# Altium PCB PCB.PcbDoc (part 1 of 4) (continued)
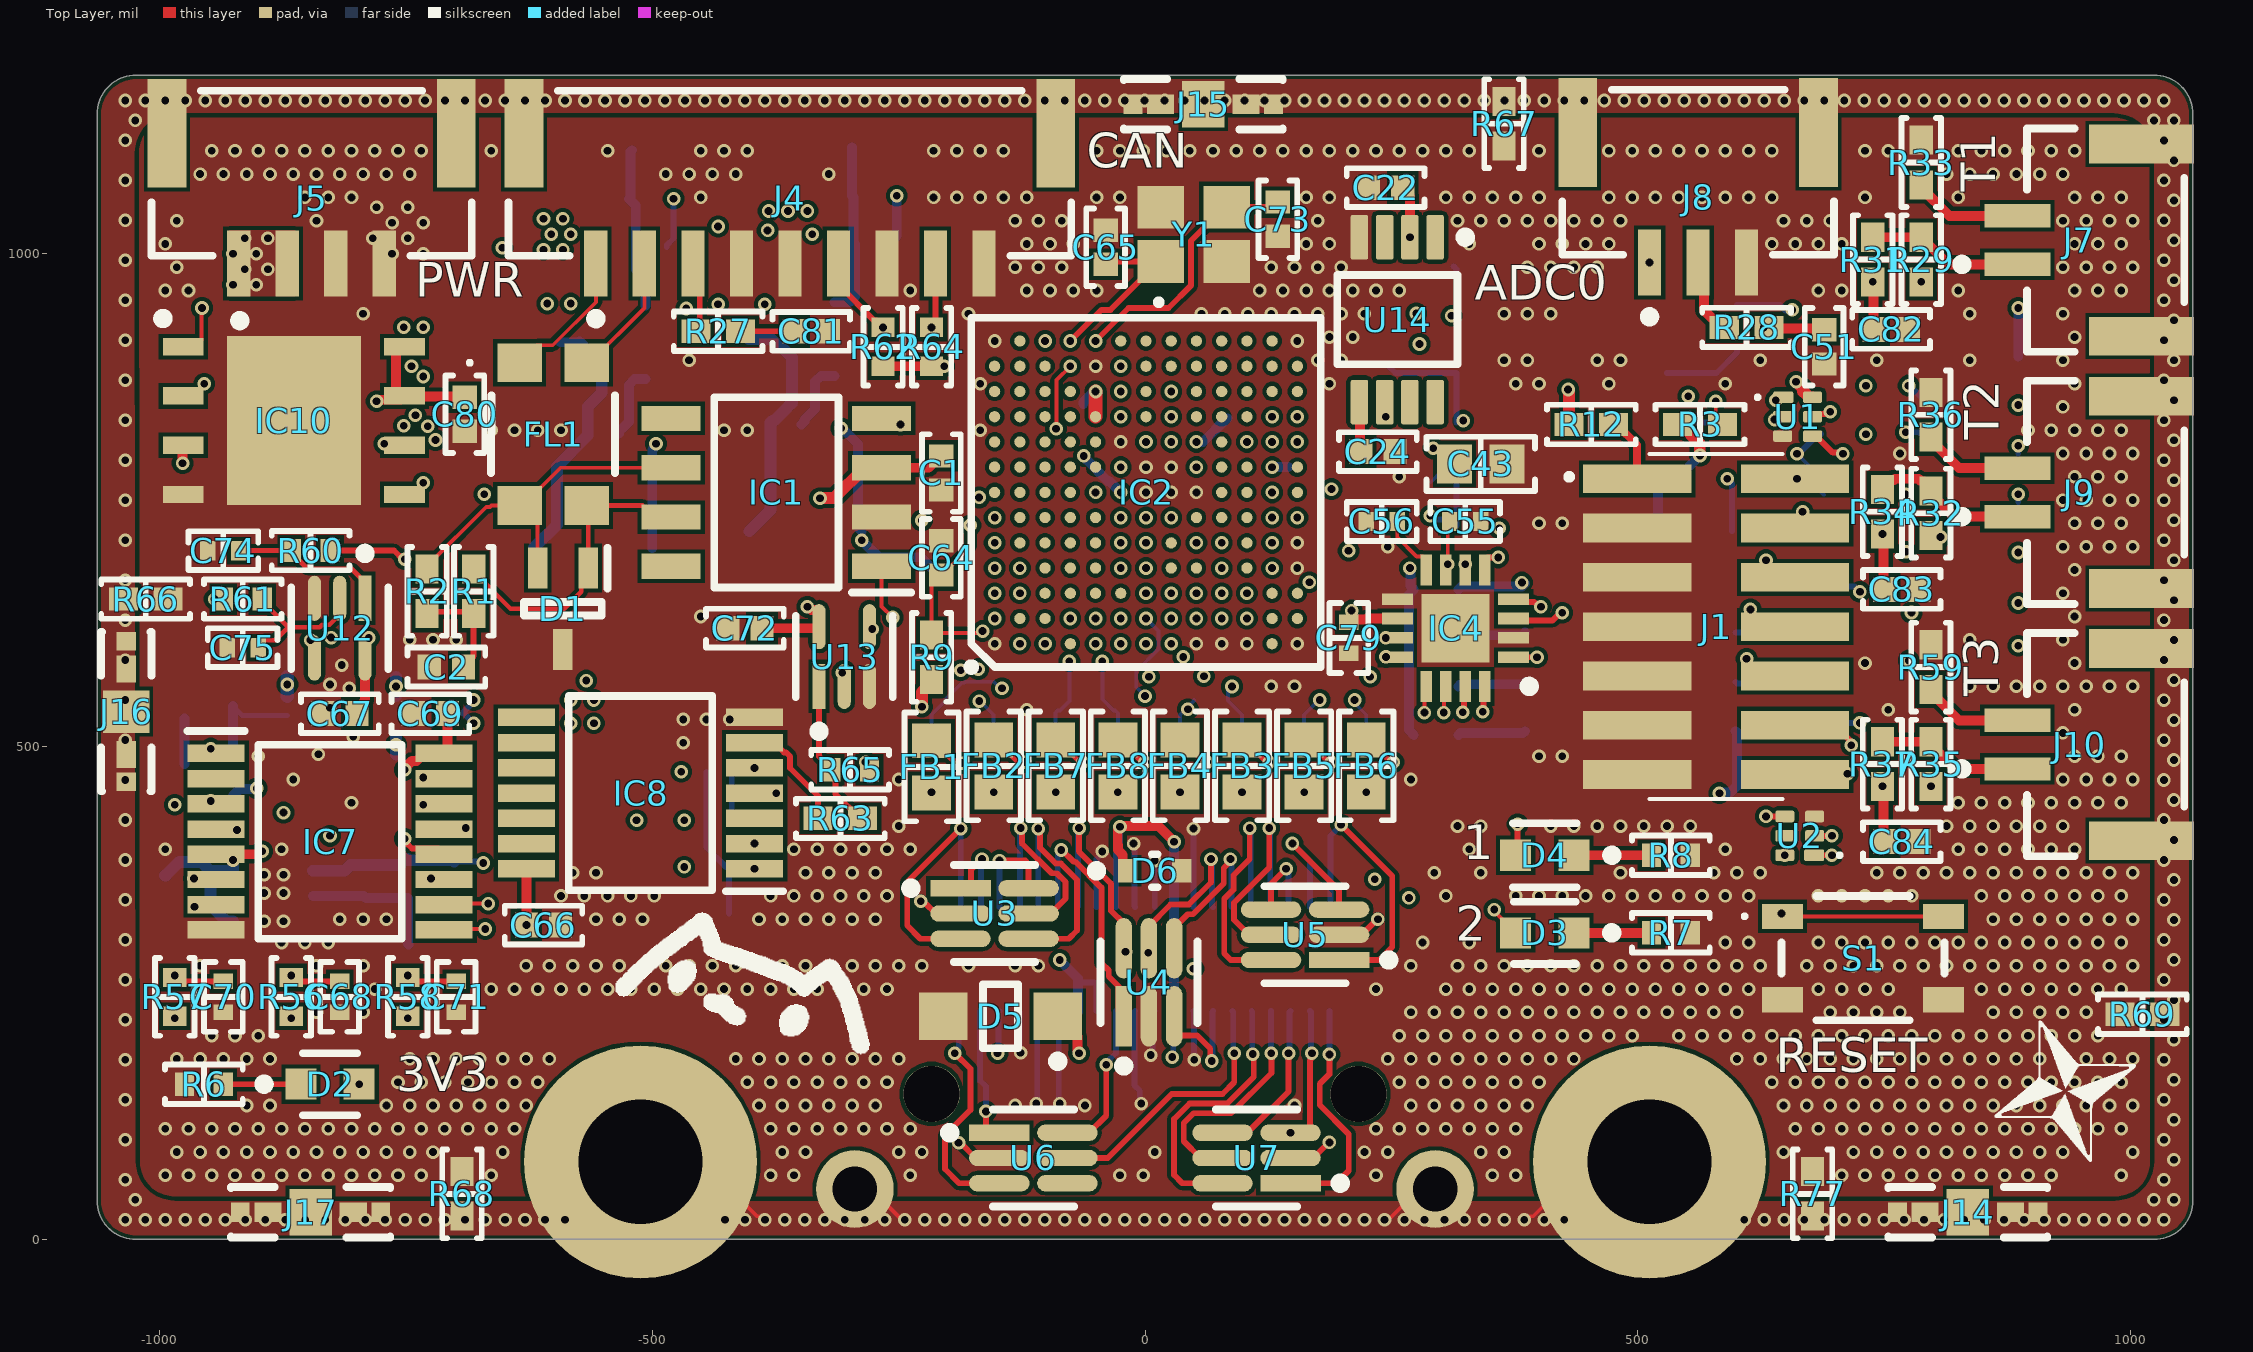
[diagram p0: Top Layer view]
## Components (designator, comment, footprint, x,y, rotation, side; value= is the part's Value field where it differs from the comment) (continued)
IC6 "SN65HVD78DR" SOIC127P600X175-8N 492.13,590.55 r0 bottom
IC7 "CD4044BPWR" SOP65P640X120-16N -826.77,403.54 r0 top
IC8 "SN74HCS21PWR" SOP65P640X120-14N -511.81,452.76 r180 top
IC10 "W25Q128JVPIQ_TR" SON127P600X500X80-9N-D -863.48,830.71 r0 top
IC11 "LDH40PUR" SON65P200X200X80-7N -444.88,515.75 r270 bottom
J1 "FTSH-107-01-F-DV-K-P-TR" FTSH-107-XX-YYY-DV-K-P-TR 579.33,621.65 r270 top
J2 "LSHM-120-01-L-DH-A-S-K-TR" *SAMTEC_LSHM-120-01-L-DH-A-S-K-TR_LSHM-120-01-L-DH-A-S-K-TR(Primary) 0,147.64 r180 bottom
J3 "S0951-46R" FP-S0951-46R-MFG -846.46,27.56 r270 bottom
J4 "BM09B-GHS-TBT(LF)(SN)(N)" FP-BM09B-GHS-TBT_LF_SN-MFG -360.24,1081.69 r180 top
J5 "BM04B-GHS-TBT(LF)(SN)" FP-BM04B-GHS-TBT_LF_SN-MFG -845.47,1081.69 r180 top
J6 "SM10B-GHS-TB" SM10BGHSTB 970.47,821.85 r270 bottom
J7 "SM02B-GHS-TB(LF)(SN)" FP-SM02B-GHS-TB_LF_SN-MFG 974.41,1013.78 r90 top
J8 "BM03B-GHS-TBT (LF)(SN)(N)" FP-BM03B-GHS-TBT_LF_SN-MFG 561.02,1082.68 r180 top
J9 "SM02B-GHS-TB(LF)(SN)" FP-SM02B-GHS-TB_LF_SN-MFG 974.41,757.87 r90 top
J10 "SM02B-GHS-TB(LF)(SN)" FP-SM02B-GHS-TB_LF_SN-MFG 974.41,501.97 r90 top
J11 "S0951-46R" FP-S0951-46R-MFG -856.3,1151.57 r270 bottom
J12 "S0951-46R" FP-S0951-46R-MFG 698.82,1151.57 r270 bottom
J13 "S0951-46R" FP-S0951-46R-MFG 834.65,27.56 r270 bottom
J14 "S0951-46R" FP-S0951-46R-MFG 834.65,27.56 r90 top
J15 "S0951-46R" FP-S0951-46R-MFG 59.06,1151.57 r90 top
J16 "S0951-46R" FP-S0951-46R-MFG -1033.46,535.43 r0 top
J17 "S0951-46R" FP-S0951-46R-MFG -846.46,27.56 r90 top
L1 "FNR4030S220MT" VLCF4020 -344.49,718.5 r0 bottom
L2 "ZNR4018ST150M" WE-LQS_4025 -559.98,701.47 r0 bottom
L3 "XGL4020-152MEC" FP-XGL4020-MFG -787.4,866.14 r180 bottom value=1.5uH
R1 "60.4 Ohms" "RES 0402_1005" -681.1,657.48 r270 top
R2 "60.4 Ohms" "RES 0402_1005" -728.35,657.48 r270 top
R3 "2.2 kOhms" "RES 0402_1005" 562.99,826.77 r180 top
R6 "1 kOhms" "YAGEO RES 0402_1005" -954.72,157.48 r180 top
R7 "1 kOhms" "YAGEO RES 0402_1005" 533.46,311.02 r0 top
R8 "1 kOhms" "YAGEO RES 0402_1005" 533.46,389.76 r0 top
R9 "2.2 kOhms" "RES 0402_1005" -216.54,590.55 r270 top
R10 "140 Ohms" "RES 0402_1005" -216.54,476.38 r270 bottom
R11 "140 Ohms" "RES 0402_1005" -153.54,476.38 r270 bottom
R12 "0 Ohms" "RES 0402_1005" 452.76,826.77 r180 top
R13 "100 kOhms" "RES 0402_1005" -274.54,1058.77 r0 bottom
R14 "5.23 kOhms" "RES 0402_1005" -274.54,1107.99 r180 bottom
R15 "100 kOhms" "RES 0402_1005" -500.92,1055.8 r0 bottom
R16 "13.3 kOhms" "YAGEO RES 0402_1005" -500.92,1105.01 r180 bottom
R17 "3.57 kOhms" "YAGEO RES 0402_1005" -925.2,472.44 r270 bottom
R18 "1.15 kOhms" "RES 0402_1005" -925.2,561.02 r270 bottom
R19 "680 Ohms" "YAGEO RES 0402_1005" -974.41,462.6 r270 bottom
R20 "13 kOhms" "YAGEO RES 0402_1005" -748.03,366.14 r90 bottom
R21 "11 kOhms" "RES 0402_1005" -724.41,299.21 r180 bottom
R22 "100 kOhms" "RES 0402_1005" -444.88,377.95 r180 bottom
R23 "1.1 Ohms" "RES 0603_1608" -974.41,688.98 r90 bottom
R24 "100 Ohms" "RES 0402_1005" 708.66,816.93 r0 bottom
R25 "100 Ohms" "RES 0402_1005" 708.66,866.14 r0 bottom
R26 "57.6 kOhms" "RES 0402_1005" -444.88,330.71 r0 bottom
R27 "100 Ohms" "RES 0402_1005" -433.07,921.26 r180 top
R28 "100 Ohms" "RES 0402_1005" 610.24,925.2 r180 top
R29 "1 kOhms" "RES 0402_1005" 787.4,994.09 r270 top
R30 "120R" "RES 0603_1608" 777.51,613.19 r270 bottom value=510R
R31 "82 Ohms" "RES 0402_1005" 738.19,994.09 r90 top
R32 "1 kOhms" "RES 0402_1005" 797.24,736.78 r270 top
R33 "82 Ohms" "RES 0402_1005" 787.4,1092.52 r270 top
R34 "82 Ohms" "RES 0402_1005" 748.03,738.19 r90 top
R35 "1 kOhms" "RES 0402_1005" 797.24,482.28 r270 top
R36 "82 Ohms" "RES 0402_1005" 797.24,836.61 r270 top
R37 "82 Ohms" "RES 0402_1005" 748.03,482.28 r90 top
R38 "10 Ohms" "RES 0402_1005" 591.62,797.24 r270 bottom
R39 "4.7 kOhms" "RES 0402_1005" 335.71,721.46 r0 bottom
R40 "120R" "RES 0603_1608" 777.56,728.35 r270 bottom value=510R
R41 "4.7 kOhms" "RES 0402_1005" 247.13,908.46 r270 bottom
R42 "4.7 kOhms" "RES 0402_1005" 335.71,987.2 r180 bottom
R43 "10 Ohms" "RES 0402_1005" 600.39,925.2 r90 bottom
R44 "10 Ohms" "RES 0402_1005" 669.29,541.34 r270 bottom
R45 "4.7 kOhms" "RES 0402_1005" 295.28,511.81 r180 bottom
R46 "4.7 kOhms" "RES 0402_1005" 295.28,561.02 r180 bottom
R47 "4.7 kOhms" "RES 0402_1005" 295.28,610.24 r180 bottom
R48 "4.7 kOhms" "RES 0402_1005" 295.28,659.45 r180 bottom
R49 "10 Ohms" "RES 0402_1005" 669.29,639.76 r90 bottom
R50 "140 Ohms" "RES 0402_1005" 98.43,476.38 r270 bottom
R51 "140 Ohms" "RES 0402_1005" 35.43,476.38 r270 bottom
R52 "140 Ohms" "RES 0402_1005" 161.42,476.38 r270 bottom
R53 "140 Ohms" "RES 0402_1005" 224.41,476.38 r270 bottom
R54 "140 Ohms" "RES 0402_1005" -90.55,476.38 r270 bottom
R55 "140 Ohms" "RES 0402_1005" -27.56,476.38 r270 bottom
R56 "1 kOhms" "YAGEO RES 0402_1005" -866.14,246.06 r90 top
R57 "1 kOhms" "YAGEO RES 0402_1005" -984.25,246.06 r90 top
R58 "1 kOhms" "YAGEO RES 0402_1005" -748.03,246.06 r90 top
R59 "82 Ohms" "RES 0402_1005" 797.24,580.71 r270 top
R60 "1 kOhms" "YAGEO RES 0402_1005" -846.46,698.82 r180 top
R61 "1 kOhms" "YAGEO RES 0402_1005" -915.35,649.61 r0 top
R62 "4.7 kOhms" "YAGEO RES 0402_1005" -265.75,905.51 r270 top
R63 "0 Ohms" "RES 0402_1005" -309.06,427.17 r0 top
R64 "4.7 kOhms" "YAGEO RES 0402_1005" -216.54,905.51 r270 top
R65 "4.7 kOhms" "YAGEO RES 0402_1005" -299.21,476.38 r0 top
R66 "0 Ohms" "RES 0402_1005" -1013.78,649.61 r180 top
R67 "0 Ohms" "RES 0402_1005" 364.17,1131.89 r90 top
R68 "0 Ohms" "RES 0402_1005" -692.91,46.26 r270 top
R69 "0 Ohms" "RES 0402_1005" 1011.81,228.35 r0 top
R70 "0 Ohms" "RES 0402_1005" 964.57,43.31 r270 bottom
R71 "0 Ohms" "RES 0402_1005" 1013.78,226.38 r0 bottom
R72 "0 Ohms" "RES 0402_1005" -692.91,46.26 r270 bottom
R73 "0 Ohms" "RES 0402_1005" -1015.75,157.48 r180 bottom
R74 "0 Ohms" "RES 0402_1005" -88.58,1131.89 r90 bottom
R75 "0 Ohms" "RES 0402_1005" 433.07,1128.94 r90 bottom
R76 "100 kOhms" "RES 0402_1005" -444.88,425.2 r0 bottom
R77 "0 Ohms" "RES 0402_1005" 677.17,46.26 r270 top
R78 "620 Ohms" "YAGEO RES 0402_1005" 787.4,836.61 r90 bottom
S1 "SKRPABE010" SKRPABE010 728.35,285.43 r0 top
U1 "TPD4E004DRYR" DRY0006A 662.01,834.65 r0 top
U2 "TPD4E004DRYR" DRY0006A 664.17,409.45 r180 top
U3 "PESD3V3L5UY,115" FP-SOT363-IPC_A -152.63,330.71 r0 top
U4 "PESD3V3L5UY,115" FP-SOT363-IPC_A 3.94,260.89 r90 top
U5 "PESD3V3L5UY,115" FP-SOT363-IPC_A 162.33,309.06 r180 top
U6 "PESD3V3L5UY,115" FP-SOT363-IPC_A -113.26,82.68 r0 top
U7 "PESD3V3L5UY,115" FP-SOT363-IPC_A 113.12,82.68 r180 top
U9 "TPS54202DDCR" FP-DDC0006A-IPC_B -358.28,913.39 r0 bottom
U10 "TPS54202DDCR" FP-DDC0006A-IPC_B -549.96,910.13 r0 bottom
U11 "TLV75901PDRVT" FP-DRV0006A-IPC_B -884.72,348.43 r180 bottom
U12 "SN74LV1T08DCKR" FP-DCK0005A-IPC_C -816.93,620.08 r270 top
U13 "SN74LV1T08DCKR" FP-DCK0005A-IPC_C -305.12,591.34 r90 top
U14 "REF5030IDGKR" DGK0008A_L 255.91,933.07 r270 top
Y1 "Q24FA20H00172" FA20H160000MF12ZAC3 49.35,1019.66 r0 top

## Footprints (in the part's own frame and the unit in brackets; to place one, negate y for a bottom-side part, rotate by r counter-clockwise, add the part's x,y. Pads: shape width x height; smd on the part's side, far side on the other; paste and mask are expansions set on the pad)
"0µF 0201-Footprint-1" [mm]
  rect 0.25x0.35 smd: 1(-0.31,0) 2(0.31,0)
  silkscreen extent 0,-0.16 0,0.17, body extent -0.3,-0.15 0.3,0.15, height 0.3
1812CAN513NRC [mm]
  rect 1x1.15 smd: 1(-1.84,-0.865) 2(1.84,-0.865) 3(1.84,0.865) 4(-1.84,0.865)
  silkscreen extent -1.89,-2.2 1,1.59, body extent -2.47,-1.59 2.47,1.59, height 3.1
*SAMTEC_LSHM-120-01-L-DH-A-S-K-TR_LSHM-120-01-L-DH-A-S-K-TR(Primary) [mm]
  rect 0.254x1.8 smd: 01(4.75,4.81) 03(4.25,4.81) 05(3.75,4.81) 07(3.25,4.81) 09(2.75,4.81) 11(2.25,4.81) 13(1.75,4.81) 15(1.25,4.81) 17(0.75,4.81) 19(0.25,4.81) 21(-0.25,4.81) 23(-0.75,4.81) 25(-1.25,4.81) 27(-1.75,4.81) 29(-2.25,4.81) 31(-2.75,4.81) 33(-3.25,4.81) 35(-3.75,4.81) 37(-4.25,4.81) 39(-4.75,4.81)
  rect 0.254x1.63 smd: 02(4.75,2.135) 04(4.25,2.135) 06(3.75,2.135) 08(3.25,2.135) 10(2.75,2.135) 12(2.25,2.135) 14(1.75,2.135) 16(1.25,2.135) 18(0.75,2.135) 20(0.25,2.135) 22(-0.25,2.135) 24(-0.75,2.135) 26(-1.25,2.135) 28(-1.75,2.135) 30(-2.25,2.135) 32(-2.75,2.135) 34(-3.25,2.135) 36(-3.75,2.135) 38(-4.25,2.135) 40(-4.75,2.135)
  round 1.45 hole 1.45 unplated: None(-5.5,0) None(5.5,0)
  round 2 hole 1.15: S1(-7.475,-2.45) S2(7.475,-2.45)
  silkscreen extent -7.6,-3.47 7.6,6.33, body extent -7.9,-3.39 7.9,5.6, height 5.26
BGA169C65P13X13_900X900X100 [mm]
  round 0.29 smd: A1(-3.9,3.9) A2(-3.25,3.9) A3(-2.6,3.9) A4(-1.95,3.9) A5(-1.3,3.9) A6(-0.65,3.9) A7(0,3.9) A8(0.65,3.9) A9(1.3,3.9) A10(1.95,3.9) A11(2.6,3.9) A12(3.25,3.9) A13(3.9,3.9) B1(-3.9,3.25) B2(-3.25,3.25) B3(-2.6,3.25) B4(-1.95,3.25) B5(-1.3,3.25) B6(-0.65,3.25) B7(0,3.25) B8(0.65,3.25) B9(1.3,3.25) B10(1.95,3.25) B11(2.6,3.25) B12(3.25,3.25) B13(3.9,3.25) C1(-3.9,2.6) C2(-3.25,2.6) C3(-2.6,2.6) C4(-1.95,2.6) C5(-1.3,2.6) C6(-0.65,2.6) C7(0,2.6) C8(0.65,2.6) C9(1.3,2.6) C10(1.95,2.6) C11(2.6,2.6) C12(3.25,2.6) C13(3.9,2.6) D1(-3.9,1.95) D2(-3.25,1.95) D3(-2.6,1.95) D4(-1.95,1.95) D5(-1.3,1.95) D6(-0.65,1.95) D7(0,1.95) D8(0.65,1.95) D9(1.3,1.95) D10(1.95,1.95) D11(2.6,1.95) D12(3.25,1.95) D13(3.9,1.95) E1(-3.9,1.3) E2(-3.25,1.3) E3(-2.6,1.3) E4(-1.95,1.3) E5(-1.3,1.3) E6(-0.65,1.3) E7(0,1.3) E8(0.65,1.3) E9(1.3,1.3) E10(1.95,1.3) E11(2.6,1.3) E12(3.25,1.3) E13(3.9,1.3) F1(-3.9,0.65) F2(-3.25,0.65) F3(-2.6,0.65) F4(-1.95,0.65) F5(-1.3,0.65) F6(-0.65,0.65) F7(0,0.65) F8(0.65,0.65) F9(1.3,0.65) F10(1.95,0.65) F11(2.6,0.65) F12(3.25,0.65) F13(3.9,0.65) G1(-3.9,0) G2(-3.25,0) G3(-2.6,0) G4(-1.95,0) G5(-1.3,0) G6(-0.65,0) G7(0,0) G8(0.65,0) G9(1.3,0) G10(1.95,0) G11(2.6,0) G12(3.25,0) G13(3.9,0) H1(-3.9,-0.65) H2(-3.25,-0.65) H3(-2.6,-0.65) H4(-1.95,-0.65) H5(-1.3,-0.65) H6(-0.65,-0.65) H7(0,-0.65) H8(0.65,-0.65) H9(1.3,-0.65) H10(1.95,-0.65) H11(2.6,-0.65) H12(3.25,-0.65) H13(3.9,-0.65) J1(-3.9,-1.3) J2(-3.25,-1.3) J3(-2.6,-1.3) J4(-1.95,-1.3) J5(-1.3,-1.3) J6(-0.65,-1.3) J7(0,-1.3) J8(0.65,-1.3) J9(1.3,-1.3) J10(1.95,-1.3) J11(2.6,-1.3) J12(3.25,-1.3) J13(3.9,-1.3) K1(-3.9,-1.95) K2(-3.25,-1.95) K3(-2.6,-1.95) K4(-1.95,-1.95) K5(-1.3,-1.95) K6(-0.65,-1.95) K7(0,-1.95) K8(0.65,-1.95) K9(1.3,-1.95) K10(1.95,-1.95) K11(2.6,-1.95) K12(3.25,-1.95) K13(3.9,-1.95) L1(-3.9,-2.6) L2(-3.25,-2.6) L3(-2.6,-2.6) L4(-1.95,-2.6) L5(-1.3,-2.6) L6(-0.65,-2.6) L7(0,-2.6) L8(0.65,-2.6) L9(1.3,-2.6) L10(1.95,-2.6) L11(2.6,-2.6) L12(3.25,-2.6) L13(3.9,-2.6) M1(-3.9,-3.25) M2(-3.25,-3.25) M3(-2.6,-3.25) M4(-1.95,-3.25) M5(-1.3,-3.25) M6(-0.65,-3.25) M7(0,-3.25) M8(0.65,-3.25) M9(1.3,-3.25) M10(1.95,-3.25) M11(2.6,-3.25) M12(3.25,-3.25) M13(3.9,-3.25) N1(-3.9,-3.9) N2(-3.25,-3.9) N3(-2.6,-3.9) N4(-1.95,-3.9) N5(-1.3,-3.9) N6(-0.65,-3.9) N7(0,-3.9) N8(0.65,-3.9) N9(1.3,-3.9) N10(1.95,-3.9) N11(2.6,-3.9) N12(3.25,-3.9) N13(3.9,-3.9)
  silkscreen extent -4.6,-4.5 4.5,4.6, body extent -4.5,-4.5 4.5,4.5, height 1
"CAP 0402_1005" [mm] "Chip Capacitor, 2-Leads, Body 1.02x0.51mm, IPC Medium Density"
  rect 0.6x0.64 smd: 1(-0.44,0) 2(0.44,0)
  silkscreen extent -1,-0.5 1,0.5, body extent -0.5,-0.26 0.5,0.26, height 0.52
"CAP 0603_1608" [mm] "Chip Capacitor, 2-Leads, Body 1.60x0.80mm, IPC Medium Density"
  rect 0.9x1 smd: 1(-0.675,0) 2(0.675,0)
  silkscreen extent -1.4,-0.7 1.4,0.7, body extent -0.8,-0.41 0.8,0.41, height 0.82
"CAP 0805_2012" [mm] "Chip Capacitor, 2-Leads, Body 2.00x1.20mm, IPC Medium Density"
  rect 1.3x1.4 smd: 1(-0.8,0) 2(0.8,0)
  silkscreen extent -1.7,-0.9 1.7,0.9, body extent -1,-0.64 1,0.64, height 1.26
DGK0008A_L [mm] "TSOP, 8-Leads, Body 3.1x3.1mm, Pitch 0.65mm, IPC High Density"
  rrect22% 1.15x0.45 smd: 1(-2.125,0.975) 2(-2.125,0.325) 3(-2.125,-0.325) 4(-2.125,-0.975) 5(2.125,-0.975) 6(2.125,-0.325) 7(2.125,0.325) 8(2.125,0.975)
  silkscreen extent -2.25,-1.55 1.15,1.88, body extent -2.45,-1.5 2.45,1.5, height 0.94
DRY0006A [mm] "SON, 6-Leads, Body 1.45x1mm, Pitch 0.5mm"
  rrect33% 0.52x0.3 smd: 1(-0.37,0.5)
  rrect33% 0.49x0.3 smd: 2(-0.385,0) 3(-0.385,-0.5) 4(0.385,-0.5) 5(0.385,0) 6(0.385,0.5)
  silkscreen extent -1.08,0.45 -0.98,0.55, body extent -0.5,-0.72 0.5,0.72, height 0.6
FA20H160000MF12ZAC3 [mm]
  rect 1.2x1.1 smd: 1(-0.85,-0.7) 2(0.85,-0.7) 3(0.85,0.7) 4(-0.85,0.7)
  silkscreen extent -0.95,-1.8 -0.85,-1.7, body extent -1.25,-1 1.25,1, height 0.63
"FER 0603_1608" [mm] "Chip Ferrite, 2-Leads, Body 1.60x0.80mm, IPC Medium Density"
  rect 0.9x1 smd: 1(-0.675,0) 2(0.675,0)
  silkscreen extent -1.4,-0.7 1.4,0.7, body extent -0.8,-0.41 0.8,0.41, height 0.82
FP-BM03B-GHS-TBT_LF_SN-MFG [mm]
  rect 0.6x1.7 smd paste+0 mask+0: 1(1.25,2.325) 2(0,2.325) 3(-1.25,2.325)
  rect 1x2.8 smd paste+0 mask+0: 4(-3.1,-1.025) 5(3.1,-1.025)
  silkscreen extent -3.5,-2.12 3.5,3.85, body extent -3.7,-2.52 3.7,3.27, height 0.25
FP-BM04B-GHS-TBT_LF_SN-MFG [mm]
  rect 0.6x1.7 smd paste+0 mask+0: 1(1.875,2.325) 2(0.625,2.325) 3(-0.625,2.325) 4(-1.875,2.325)
  rect 1x2.8 smd paste+0 mask+0: 5(-3.725,-1.025) 6(3.725,-1.025)
  silkscreen extent -4.13,-2.12 4.13,3.92, body extent -4.33,-2.52 4.33,3.27, height 0.25
FP-BM09B-GHS-TBT_LF_SN-MFG [mm]
  rect 0.6x1.7 smd paste+0 mask+0: 1(5,2.325) 2(3.75,2.325) 3(2.5,2.325) 4(1.25,2.325) 5(0,2.325) 6(-1.25,2.325) 7(-2.5,2.325) 8(-3.75,2.325) 9(-5,2.325)
  rect 1x2.8 smd paste+0 mask+0: 10(-6.85,-1.025) 11(6.85,-1.025)
  silkscreen extent -7.25,-2.12 7.25,3.87, body extent -7.45,-2.52 7.45,3.27, height 0.25
FP-DCK0005A-IPC_C [mm]
  rect 1.164x0.336 smd paste+0 mask+0: 1(-0.77,0.65)
  rrect100% 1.164x0.336 smd paste+0 mask+0: 2(-0.77,0) 3(-0.77,-0.65) 4(0.77,-0.65) 5(0.77,0.65)
  silkscreen extent -2.05,-1.25 1.05,1.25
FP-DDC0006A-IPC_B [mm]
  rect 1.554x0.572 smd paste+0 mask+0: 1(-1.1,0.95)
  rrect100% 1.554x0.572 smd paste+0 mask+0: 2(-1.1,0) 3(-1.1,-0.95) 4(1.1,-0.95) 5(1.1,0) 6(1.1,0.95)
  silkscreen extent -2.57,-1.7 1.4,1.7, body extent -1.4,-1.45 1.4,1.45, height 1.1
FP-DRV0006A-IPC_B [mm]
  rect 0.656x0.292 smd paste+0 mask+0: 1(-1.028,0.65)
  rrect100% 0.656x0.292 smd paste+0 mask+0: 2(-1.028,0) 3(-1.028,-0.65) 4(1.028,-0.65) 5(1.028,0) 6(1.028,0.65)
  rect 1.1x1.7 smd paste-1000 mask+0: 7(0,0)
  silkscreen extent -2.03,-1.17 1,1.17, body extent -1,-1 1,1, height 0.8
FP-LTST-C190KRKT-MFG [mm]
  rect 0.8x0.8 smd paste+0 mask+0: 1(-0.75,0) 2(0.75,0)
  silkscreen extent -1.86,-0.82 0.82,0.82, body extent -1.25,-0.55 1.25,0.55, height 0.25
FP-LTST-C191KGKT-MFG [mm]
  rect 0.8x0.8 smd paste+0 mask+0: 1(-0.75,0) 2(0.75,0)
  silkscreen extent -1.85,-0.8 0.8,0.8, body extent -1.25,-0.55 1.25,0.55, height 0.25
FP-LTST-C191KSKT-MFG [mm]
  rect 0.8x0.8 smd paste+0 mask+0: 1(-0.75,0) 2(0.75,0)
  silkscreen extent -1.82,-0.8 0.7,0.8, body extent -1.25,-0.55 1.25,0.55, height 0.25
FP-S0951-46R-MFG [mm]
  rect 0.5x0.48 smd paste+0 mask+0: 1(0,-1.81) 1(0,1.81)
  rect 0.5x0.7 smd paste+0 mask+0: 1(0,-1.1) 1(0,1.1)
  rect 1.2x1.1 smd paste+0 mask+0: 1(0,0)
  silkscreen extent -0.65,-2.05 0.65,2.05, body extent -0.55,-1.95 0.55,1.95, height 1.28
FP-SM02B-GHS-TB_LF_SN-MFG [mm]
  rect 0.6x1.7 smd paste+0 mask+0: 1(-0.625,2.275) 2(0.625,2.275)
  rect 1x2.7 smd paste+0 mask+0: 3(-2.475,-0.925) 4(2.475,-0.925)
  silkscreen extent -2.88,-2.02 2.88,3.82, body extent -3.08,-2.37 3.08,3.22, height 0.25
FP-SMAJ-MFG [mm]
  rect 2.1x1.8 smd paste+0 mask+0: 1(-2.2,0) 2(2.2,0)
  silkscreen extent -3.95,-1.4 2.3,1.4, body extent -2.6,-1.42 2.55,1.33, height 2.29
FP-SOD523-MFG [mm]
  rect 0.5x0.6 smd paste-1000 mask+0: 1(-0.7,0) 2(0.7,0)
  silkscreen extent -1.62,-0.43 0.08,0.43, body extent -1.07,-0.6 1.07,0.6, height 0.25
FP-SOT363-IPC_A [mm]
  rect 1.559x0.422 smd paste+0 mask+0: 1(-0.877,0.65)
  rrect100% 1.559x0.422 smd paste+0 mask+0: 2(-0.877,0) 3(-0.877,-0.65) 4(0.877,-0.65) 5(0.877,0) 6(0.877,0.65)
  silkscreen extent -2.28,-1.25 1.05,1.25, body extent -2.16,-1.5 2.16,1.5, height 0.25
FP-XGL4020-MFG [mm]
  rect 0.98x3.4 smd paste+0 mask+0: 1(-1.185,0) 2(1.185,0)
  silkscreen extent -2.15,-2.15 2.15,2.15, body extent -2,-2 2,2, height 2.1
FTSH-107-XX-YYY-DV-K-P-TR [mm]
  rect 0.74x2.79 smd: 1(-3.81,-2.035) 2(-3.81,2.035) 3(-2.54,-2.035) 4(-2.54,2.035) 5(-1.27,-2.035) 6(-1.27,2.035) 7(0,-2.035) 8(0,2.035) 9(1.27,-2.035) 10(1.27,2.035) 11(2.54,-2.035) 12(2.54,2.035) 13(3.81,-2.035) 14(3.81,2.035)
  silkscreen extent -4.44,-3.83 4.44,1.72, body extent -4.45,-4.43 4.45,2.94, height 6.99
KING-APT1608SGC_V [mm] "SMD, 2-Leads, Body 0.8x1.6mm"
  rect 0.8x0.8 smd: 1(-0.825,0) 2(0.825,0)
  silkscreen extent -0.03,-0.4 1.73,0.4, body extent -0.8,-0.4 0.81,0.4, height 0.76
"MURATA GCM155 0402_1005" [mm] "Chip Capacitor, 2-Leads, Body 1.0x0.50mm"
  rect 0.4x0.5 smd: 1(-0.4,0) 2(0.4,0)
  silkscreen extent -0.8,-0.48 0.8,0.48, body extent -0.52,-0.27 0.53,0.28, height 0.55
"MURATA GRM155 0402_1005" [mm] "Chip Capacitor, 2-Leads, Body 1.0x0.50mm"
  rect 0.4x0.5 smd: 1(-0.4,0) 2(0.4,0)
  silkscreen extent -0.9,-0.5 0.9,0.5, body extent -0.52,-0.27 0.53,0.28, height 0.55
ONSC-SOD-123FL-2-498_V [mm] "SOD, 2-Leads, Body 2.7x1.65mm"
  rect 1.25x1.22 smd: 1(-1.475,0) 2(1.475,0)
  silkscreen extent -1.6,-0.82 0.45,1.28, body extent -1.35,-0.82 1.35,0.82, height 0.98
QFN50P300X300X80-17N-D [mm]
  rect 0.8x0.3 smd: 1(-1.5,0.75) 2(-1.5,0.25) 3(-1.5,-0.25) 4(-1.5,-0.75) 9(1.5,-0.75) 10(1.5,-0.25) 11(1.5,0.25) 12(1.5,0.75)
  rect 0.3x0.8 smd: 5(-0.75,-1.5) 6(-0.25,-1.5) 7(0.25,-1.5) 8(0.75,-1.5) 13(0.75,1.5) 14(0.25,1.5) 15(-0.25,1.5) 16(-0.75,1.5)
  rect 1.76x1.76 smd: 17(0,0)
  silkscreen extent -2.02,1.38 -1.78,1.62, body extent -1.5,-1.5 1.5,1.5, height 0.8
"RES 0402_1005" [mm] "Chip Resistor, 2-Leads, Body 1.0x0.5mm, IPC Medium Density"
  rect 0.75x0.6 smd: 1(-0.575,0) 2(0.575,0)
  silkscreen extent -1.14,-0.51 1.14,0.51, body extent -0.5,-0.25 0.5,0.25, height 0.35
"RES 0603_1608" [mm] "Chip Resistor, 2-Leads, Body 1.60x0.80mm, IPC Medium Density"
  rect 0.85x0.95 smd: 1(-0.65,0) 2(0.65,0)
  silkscreen extent -1.27,-0.7 1.27,0.7, body extent -0.8,-0.4 0.8,0.4, height 0.45
SKRPABE010 [mm]
  rect 1.05x0.65 smd: 1(-2.075,1.075) 2(2.075,1.075) 3(-2.075,-1.075) 4(2.075,-1.075)
  silkscreen extent -3.1,-1.6 2.1,1.6, body extent -2.3,-1.6 2.3,1.6, height 2.5
SM10BGHSTB [mm]
  rect 0.6x1.7 smd: 1(-5.625,2.15) 2(-4.375,2.15) 3(-3.125,2.15) 4(-1.875,2.15) 5(-0.625,2.15) 6(0.625,2.15) 7(1.875,2.15) 8(3.125,2.15) 9(4.375,2.15) 10(5.625,2.15)
  rect 1x2.7 smd: MP1(-7.475,-1.05) MP2(7.475,-1.05)
  silkscreen extent -7.88,-2.15 7.88,3.6, body extent -7.88,-2.3 7.88,2.94, height 4.35
SOIC127P600X175-8N [mm]
  rect 1.525x0.65 smd: 1(-2.712,1.905) 2(-2.712,0.635) 3(-2.712,-0.635) 4(-2.712,-1.905) 5(2.712,-1.905) 6(2.712,-0.635) 7(2.712,0.635) 8(2.712,1.905)
  silkscreen extent -3.47,-2.45 1.6,2.58, body extent -3.01,-2.45 3.01,2.45, height 1.63
SON65P200X200X80-7N [mm]
  rect 0.6x0.35 smd: 1(-1.05,0.65) 2(-1.05,0) 3(-1.05,-0.65) 4(1.05,-0.65) 5(1.05,0) 6(1.05,0.65)
  rect 1.1x1.7 smd: 7(0,0)
  silkscreen extent -1.47,1.2 -1.23,1.45, body extent -1.05,-1 1.05,1, height 0.8
SON127P600X500X80-9N-D [mm]
  rect 1.05x0.45 smd: 1(-2.85,1.905) 2(-2.85,0.635) 3(-2.85,-0.635) 4(-2.85,-1.905) 5(2.85,-1.905) 6(2.85,-0.635) 7(2.85,0.635) 8(2.85,1.905)
  rect 3.45x4.35 smd: 9(0,0)
  silkscreen extent -3.5,2.51 -3.25,2.75, body extent -3.05,-2.5 3.05,2.5, height 0.8
SOP65P640X120-14N [mm]
  rect 1.475x0.45 smd: 1(-2.938,1.95) 2(-2.938,1.3) 3(-2.938,0.65) 4(-2.938,0) 5(-2.938,-0.65) 6(-2.938,-1.3) 7(-2.938,-1.95) 8(2.938,-1.95) 9(2.938,-1.3) 10(2.938,-0.65) 11(2.938,0) 12(2.938,0.65) 13(2.938,1.3) 14(2.938,1.95)
  silkscreen extent -3.67,-2.5 1.85,2.52, body extent -3.2,-2.5 3.2,2.5, height 1.13
SOP65P640X120-16N [mm]
  rect 1.475x0.45 smd: 1(-2.938,2.275) 2(-2.938,1.625) 3(-2.938,0.975) 4(-2.938,0.325) 5(-2.938,-0.325) 6(-2.938,-0.975) 7(-2.938,-1.625) 8(-2.938,-2.275) 9(2.938,-2.275) 10(2.938,-1.625) 11(2.938,-0.975) 12(2.938,-0.325) 13(2.938,0.325) 14(2.938,0.975) 15(2.938,1.625) 16(2.938,2.275)
  silkscreen extent -3.67,-2.5 1.85,2.85, body extent -3.2,-2.5 3.2,2.5, height 1.13
SOT65P210X110-3N [mm]
  rect 1.05x0.5 smd: 1(-1.05,0.65) 2(-1.05,-0.65) 3(1.05,0)
  silkscreen extent -1.58,-1 0.18,1.15, body extent -1.05,-1 1.05,1, height 1.1
TPS74801DRCR [mm]
  rect 0.6x0.24 smd: 1(-1.4,1) 2(-1.4,0.5) 3(-1.4,0) 4(-1.4,-0.5) 5(-1.4,-1) 6(1.4,-1) 7(1.4,-0.5) 8(1.4,0) 9(1.4,0.5) 10(1.4,1)
  rect 1.65x2.4 smd: 11(0,0)
  rect 0.25x0.5 smd: 12(-0.25,1.45) 13(0.25,1.45) 14(-0.25,-1.45) 15(0.25,-1.45)
  silkscreen extent -2.2,-1.5 1.5,1.5, body extent -1.5,-1.5 1.5,1.5, height 1
VLCF4020 [mm]
  rect 1.6x3.9 smd: 1(-1.45,0) 2(1.45,0)
  silkscreen extent -2.85,-0.05 -2.75,0.05, body extent -2.07,-2 2.07,2, height 2
WE-LQS_4025 [mm] "SMD Power Inductor, 2-Leads, body 4x4mm"
  rect 1.5x4.4 smd: 1(-1.525,0) 2(1.525,0)
  silkscreen extent -0.4,-2.1 0.4,2.1, body extent -2,-2 2,2, height 2.15
"YAGEO RES 0402_1005" [mm] "Chip Resistor, 2-Leads, Body 1.0x0.5mm"
  rect 0.5x0.6 smd: 1(-0.5,0) 2(0.5,0)
  silkscreen extent -1,-0.51 1,0.51, body extent -0.5,-0.25 0.5,0.25, height 0.35

## Part data
C1 C66 C67 C69 C72 C80: library part C0402C104K4RECAUTO, "CAP CER 0402 0.1UF 16V X7R 10%", Device Package="0402 (1005 Metric)", Manufacturer=KEMET, Operating Temperature="-55°C ~ 125°C", Ratings=AEC-Q200, Supplier Part Number 1=399-17167-1-ND, Temperature Coefficient=X7R, Tolerance=±10%, Voltage - Rated=16V, Applications="Automotive, ESD Protection", Capacitance="0.1 µF", componentlink1description=Datasheet, componentlink1url=https://api.kemet.com/component-edge/download/datasheet/C0402C104K4RECAUTO.pdf, ComponentLink2Description="DigiKey Link", ComponentLink2URL=https://www.digikey.com/en/products/detail/kemet/C0402C104K4RECAUTO/8563695, lastupdated="2/9/2024 8:04:38 PM", Lifecycle Status=Active, Minimum Order=1, Mounting Type="Surface Mount, MLCC", Package / Case="0402 (1005 Metric)", packaging=TapeAndReel, Part Number=C0402C104K4RECAUTO, Part Status=Active, partid=1731, price=0.01, Series="ESD SMD Auto X7R", Size / Dimension="0.039\" L x 0.020\" W (1.00mm x 0.50mm)", Supplier 1=DigiKey, Thickness (Max)="0.022\" (0.55mm)"
C2: library part C0402C472K4RECAUTO, "CAP CER 0402 4.7NF 16V X7R 10%", Device Package="0402 (1005 Metric)", Manufacturer=KEMET, Operating Temperature="-55°C ~ 125°C", Ratings=AEC-Q200, Supplier Part Number 1=399-17875-1-ND, Temperature Coefficient=X7R, Tolerance=±10%, Voltage - Rated=16V, Applications="Automotive, ESD Protection", Capacitance="4700 pF", componentlink1description=Datasheet, componentlink1url=https://api.kemet.com/component-edge/download/datasheet/C0402C472K4RECAUTO.pdf, ComponentLink2Description="DigiKey Link", ComponentLink2URL=https://www.digikey.com/en/products/detail/kemet/C0402C472K4RECAUTO/8640469, lastupdated="2/9/2024 8:04:21 PM", Lifecycle Status=Active, Minimum Order=1, Mounting Type="Surface Mount, MLCC", Package / Case="0402 (1005 Metric)", packaging=TapeAndReel, Part Number=C0402C472K4RECAUTO, Part Status=Active, partid=12122, price=0.01, Series="ESD SMD Auto X7R", Size / Dimension="0.039\" L x 0.020\" W (1.00mm x 0.50mm)", Supplier 1=DigiKey, Thickness (Max)="0.022\" (0.55mm)"
C3 C4 C7 C8 C11 C12 C13 C14 C16 C18 C20 C21: library part CMP-714-000035-1, "CAP CER 0.1UF 16V X5R 0201", componentlink1description=Datasheet, ComponentLink2Description="DigiKey Link"
C5 C6 C9 C10: library part CMP-714-000035-1, "CAP CER 2.2UF", componentlink1description=Datasheet, ComponentLink2Description="DigiKey Link"
C15 C17 C39 C40 C42 C77 C78: library part CL05A106MP8NUB8, "CAP CER 10UF 10V X5R 0402", Device Package="0402 (1005 Metric)", Manufacturer="Samsung Electro-Mechanics", Operating Temperature="-55°C ~ 85°C", Supplier Part Number 1=1276-6830-1-ND, Temperature Coefficient=X5R, Tolerance=±20%, Voltage - Rated=10V, Applications="Acoustic Noise Reduction", Capacitance="10 µF", componentlink1description=Datasheet, componentlink1url=http://www.samsungsem.com/kr/support/product-search/mlcc/CL05A106MP8NUB8.jsp, ComponentLink2Description="DigiKey Link", ComponentLink2URL=https://www.digikey.com/en/products/detail/samsung-electro-mechanics/CL05A106MP8NUB8/5961314, lastupdated="2/9/2024 8:04:38 PM", Lifecycle Status=Active, Minimum Order=1, Mounting Type="Surface Mount, MLCC", Package / Case="0402 (1005 Metric)", packaging=TapeAndReel, Part Number=CL05A106MP8NUB8, Part Status=Active, partid=1758, price=0.06, Series=CL, Size / Dimension="0.039\" L x 0.020\" W (1.00mm x 0.50mm)", Supplier 1=DigiKey, Thickness (Max)="0.035\" (0.90mm)"
C19 C23 C25 C52: library part C0402C103J5RECAUTO, "CAP CER 0402 10NF 50V X7R 5%", Device Package="0402 (1005 Metric)", Manufacturer=KEMET, Operating Temperature="-55°C ~ 125°C", Ratings=AEC-Q200, Supplier Part Number 1=399-C0402C103J5RECAUTOCT-ND, Temperature Coefficient=X7R, Tolerance=±5%, Voltage - Rated=50V, Applications="Automotive, ESD Protection", Capacitance="10000 pF", componentlink1description=Datasheet, componentlink1url=https://api.kemet.com/component-edge/download/datasheet/C0402C103J5RECAUTO.pdf, ComponentLink2Description="DigiKey Link", ComponentLink2URL=https://www.digikey.com/en/products/detail/kemet/C0402C103J5RECAUTO/8646448, lastupdated="2/9/2024 8:04:13 PM", Lifecycle Status=Active, Minimum Order=1, Mounting Type="Surface Mount, MLCC", Package / Case="0402 (1005 Metric)", packaging=TapeAndReel, Part Number=C0402C103J5RECAUTO, Part Status=Active, partid=33153, price=0.02, Series="ESD SMD Auto X7R", Size / Dimension="0.039\" L x 0.020\" W (1.00mm x 0.50mm)", Supplier 1=DigiKey, Thickness (Max)="0.022\" (0.55mm)"